# Allegro board REF_WLC_TX15W_C1-MP A11 15W POWER TRANSMITTER REV04.brd (continued)
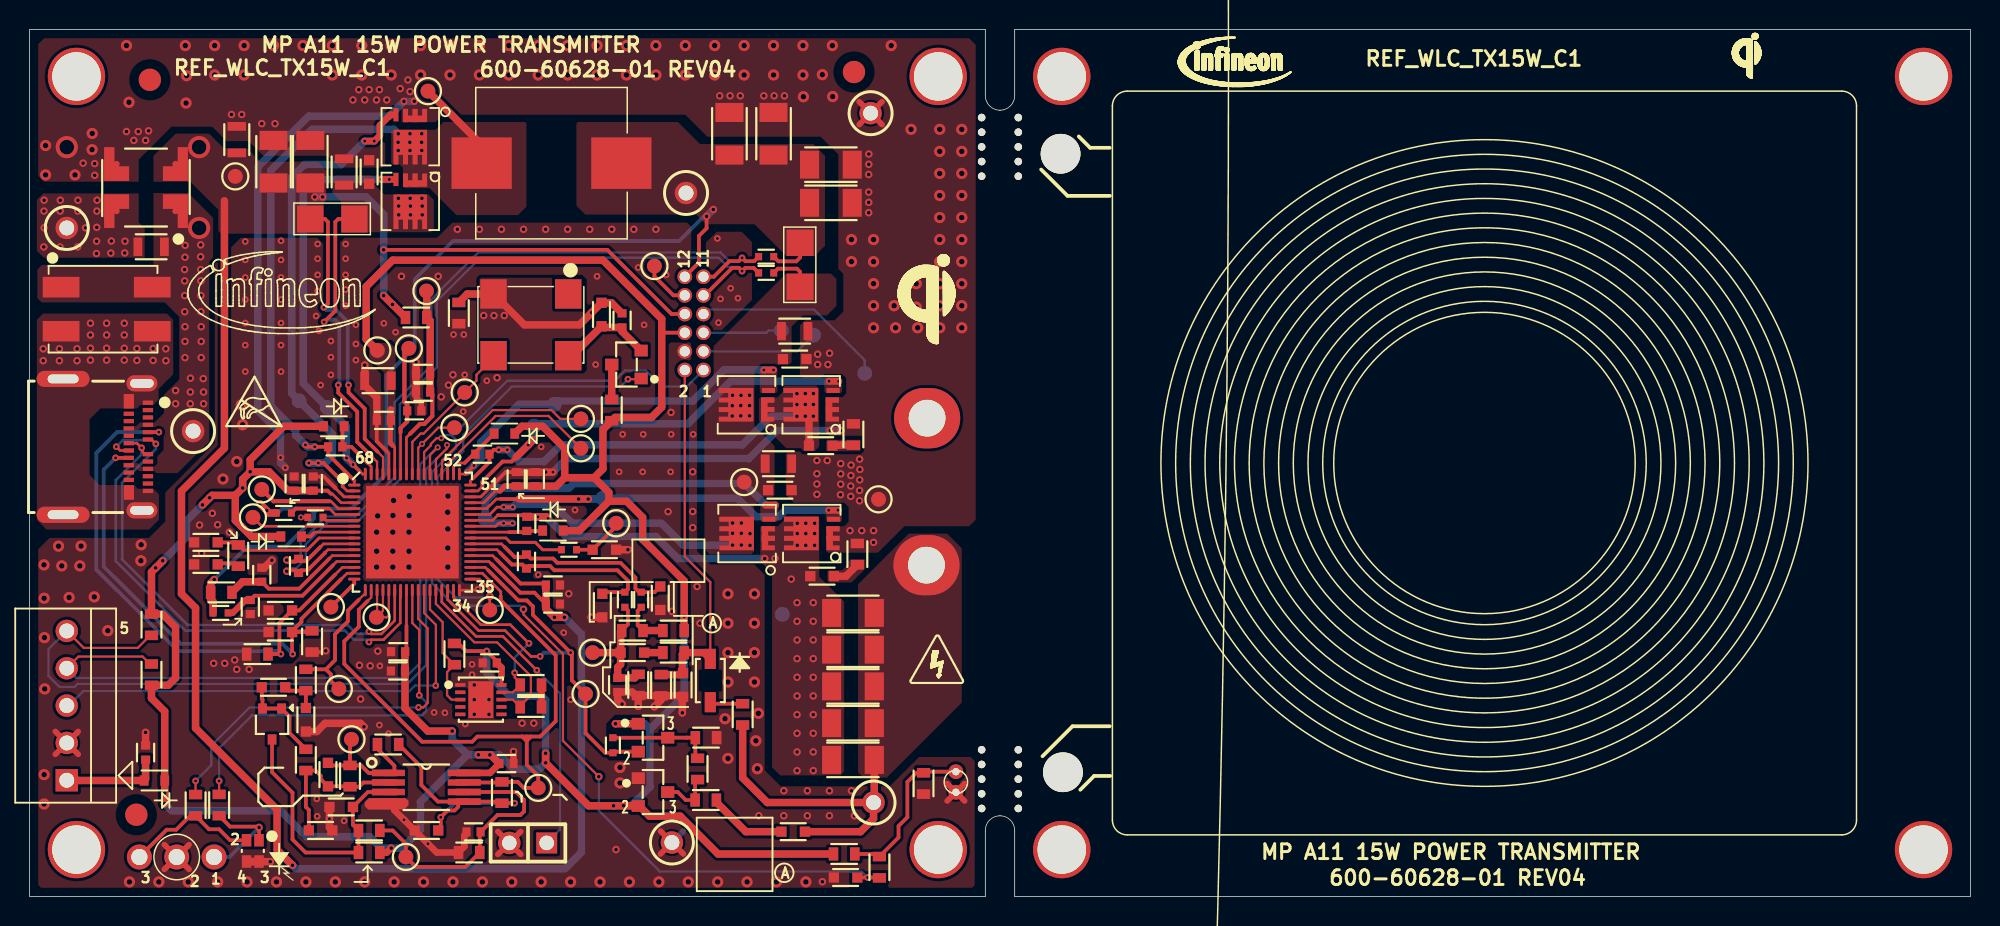
[diagram p0: board, top side]
## Copper pours and planes (outline as drawn; the poured copper is in the pictures) (continued)
GND on TOP: 28.75,45.85 44.72,45.85 45,45.57 45,35.15 45.4,34.75 45.4,23.5 46.3,22.6 49.3,22.6 50,21.9 50,8.6 51.1,7.5 58.5,7.5 60.5,9.5 64,9.5 64.28,9.22 64.28,0.77 64.11,0.6 0.8,0.6 0.6,0.8 0.6,23.63 1.37,24.4 8.12,24.4 9.24,25.52 9.24,27.49 12.6,30.85 12.6,43.05 14.37,44.82 19.58,44.82 20,44.4 21,44.4 21.43,44.83 27.73,44.83 ; 57 cut-outs
GND on TOP: 49.13,40.59 49.13,44.53 48.43,45.24 46.74,45.24 46,44.49 46,38.53 47.07,38.53
GND on TOP: 27.6,52.69 28.11,53.2 44.6,53.2 46.1,51.7 53.8,51.7 55,50.5 55,42.71 55.35,42.36 55.35,39.81 54.75,39.21 52.74,39.21 52.4,38.87 52.4,35.46 52.6,35.25 53.77,35.25 54.08,35.56 55.25,35.56 55.54,35.27 55.54,34.23 55.29,33.98 54.16,33.98 54.1,33.92 54.1,31.67 54.42,31.35 56.63,31.35 56.75,31.23 56.75,30.31 56.54,30.1 52.56,30.1 52.38,30.28 51.63,30.28 51.43,30.08 51.43,27.34 51.97,26.8 55.4,26.8 55.7,26.5 55.7,25.5 55.4,25.2 54.3,25.2 54.2,25.1 54.2,23.5 54.3,23.4 57.7,23.4 59.5,25.2 63.9,25.2 64.35,25.65 64.35,57.95 63.9,58.4 1,58.4 0.6,58 0.6,49.03 0.99,48.64 7.43,48.64 7.43,50.15 9.66,52.38 12.43,52.38 13.41,51.4 14.9,51.4 15.9,50.4 20.3,50.4 21.1,49.6 24,49.6 24.2,49.8 24.2,52.2 24.69,52.69
GND on BOTTOM: 51.46,31.15 56.5,31.15 56.9,30.75 56.9,29.2 59.6,26.5 64.1,26.5 64.35,26.25 64.35,11.35 63.5,10.5 60.9,10.5 58.5,8.1 56.2,8.1 55.8,8.5 55.8,20.26 54.16,21.9 54.16,24.71 55.5,26.05 55.5,26.6 55.3,26.8 51.04,26.8 50.2,27.64 50.2,29.89
GND on BOTTOM: 55.44,37.34 54.9,36.8 54.9,35.95 54.45,35.5 51.63,35.5 50.83,36.3 46.4,36.3 46.3,36.4 46.3,38.5 46.4,38.6 46.4,44.5 44.5,46.4 37.8,46.4 37.2,47 37.2,52.61 36.61,53.2 26.66,53.2 26.48,53.38 26.48,54.3 26.27,54.51 25.15,54.51 24.24,53.6 18.7,53.6 13.3,48.2 12.2,48.2 11.9,48.5 1.01,48.5 0.6,48.91 0.6,58 1,58.4 63.9,58.4 64.35,57.95 64.35,37.85 64.1,37.6 55.44,37.6
GND on BOTTOM: 11.69,49.83 16.39,49.83 18.81,47.41 18.81,46.99 19.05,46.99 19.2,47.14 23.02,47.14 24.4,45.8 37.37,45.8 37.67,46.1 37.67,46.98 37.9,47.2 45.2,47.2 48.8,43.6 48.8,36.43 48.66,36.29 46.51,36.29 46.3,36.5 45.75,36.5 45.75,36.04 45.32,35.61 45.44,35.49 45.44,35.11 45.63,35.11 45.71,35.03 45.71,34.94 45.75,34.9 45.75,34.79 46.89,33.65 47.15,33.65 47.28,33.52 47.28,32.43 47.9,31.81 47.9,29.43 47.85,29.43 47.72,29.3 47.72,29.22 47.9,29.04 47.9,28.71 47.64,28.45 47.84,28.45 47.9,28.39 47.9,26.8 47.87,26.8 47.76,26.69 47.9,26.55 47.9,26.3 47.18,25.58 47.18,24.6 46.9,24.32 46.9,23.3 47.66,22.54 49.36,22.54 50,21.9 50,8.6 51.1,7.5 58.5,7.5 60.5,9.5 64,9.5 64.28,9.22 64.28,0.98 63.9,0.6 0.8,0.6 0.6,0.8 0.6,23.63 1.37,24.4 3.99,24.4 4.38,24.01 5.1,24.01 5.42,24.33 5.56,24.33 5.79,24.1 6.46,24.1 6.76,24.4 8.11,24.4 9.24,25.53 9.24,27.49 12.6,30.85 12.6,43.05 12.84,43.29 12.84,46.72 10.71,48.85 ; 9 cut-outs
PVIN_0 on TOP: 20,45.2 19.9,45.1 13.03,45.1 12.84,45.29 12.84,46.74 10.94,48.64 8.43,48.64 8.43,50.39 9.95,51.91 12.22,51.91 13.23,50.9 14.8,50.9 15.7,50 19.6,50 20.2,49.4 20.2,47.4 20,47.2
VDDD on TOP: 24.1,35.65 24.1,34.5 24.3,34.3 24.3,32.7 24.33,32.67 24.84,32.67 24.9,32.73 24.9,37.3 24.53,37.67 23.45,37.67 23.1,37.32 23.1,36.65
COIL_SNS on TOP: 56.35,21.25 56.35,8.45 56.7,8.1 58.3,8.1 63.4,13.2 63.4,23.7 62.4,24.7 59.8,24.7
HG1_1 on TOP: 49.8,36.09 50.69,36.09 50.86,35.92 50.86,34.36 50.76,34.26 49.76,34.26 49.66,34.36 49.66,35.95
HG2_1 on TOP: 50.01,26.91 50.79,26.91 50.94,26.76 50.94,25.64 50.8,25.5 49.8,25.5 49.7,25.6 49.7,26.6
IIN_CSN_0 on TOP: 23.28,49.07 20.8,49.07 20.6,48.87 20.6,47.9 21.2,47.3 21.2,45.3 21.3,45.2 27.3,45.2 27.5,45.4 27.5,47.4 27.13,47.77 24.13,47.77 23.49,48.41 23.49,48.86
IIN_CSN_0 on BOTTOM: 24.94,46.08 24.8,46.22 24.8,47.67 25.03,47.9 25.03,49.82 25.25,50.05 27.18,50.05 27.41,50.28 27.41,51.94 28.17,52.7 33.7,52.7 33.8,52.6 33.8,46.39 33.49,46.08
IOUT_CSN_0 on TOP: 51.46,42.39 54.5,42.39 54.88,42.01 54.88,40.18 54.24,39.55 52.6,39.55 51.83,38.78 51.83,36.35 51.69,36.21 49.73,36.21 49.3,35.78 49.3,32.02 50.67,30.65 50.67,27.33 50.54,27.2 49.87,27.2 49.27,26.6 49.27,23.48 49.08,23.29 46.25,23.29 45.9,23.64 45.9,34.87 46.52,35.49 46.52,37.45
IOUT_CSN_0 on BOTTOM: 47.65,25.7 48.75,25.7 49.27,25.18 49.27,23.62 49.17,23.52 47.64,23.52 47.5,23.66 47.5,25.55
IOUT_CSN_0 on BOTTOM: 47.71,34.44 49.15,34.44 49.35,34.24 49.35,32.54 49.11,32.3 47.7,32.3 47.49,32.51 47.49,34.22
IOUT_CSP_0 on TOP: 37.8,46.4 45.35,46.4 46,45.74 49.31,45.74 51.47,43.58 53.39,43.58 54.1,44.29 54.1,50.4 53.3,51.2 45.6,51.2 44.1,52.7 37.3,52.7 37.2,52.6 37.2,47
IOUT_CSP_0 on TOP: 38.73,47.15 38.73,52.65 37.27,52.65 37.27,47.15
LG1_1 on TOP: 54.26,35.32 55.1,35.32 55.26,35.16 55.26,34.36 55.16,34.26 54.16,34.26 54.06,34.36 54.06,35.12
LG2_1 on TOP: 54.35,26.5 55.15,26.5 55.25,26.4 55.25,25.6 55.15,25.5 54.25,25.5 54.15,25.6 54.15,26.3
SW1_0 on TOP: 29.03,46.37 33.23,46.37 33.8,46.94 33.8,52.6 33.7,52.7 28.16,52.7 27.63,52.17 24.74,52.17 24.6,52.03 24.6,49.91 24.7,49.81 25.17,49.81 25.4,49.58 25.4,48.3 25.5,48.2 27.2,48.2
SW1_0 on TOP: 33.73,47.15 33.73,52.65 32.27,52.65 32.27,47.15
SW1_0 on BOTTOM: 24.9,52.17 26.85,52.17 26.96,52.06 26.96,50.56 26.86,50.46 24.91,50.46 24.77,50.6 24.77,52.04
SW1_1 on TOP: 49.71,33.96 50.86,33.96 51.26,34.36 51.26,34.66 51.36,34.76 53.51,34.76 53.71,34.56 53.71,30.61 53.41,30.31 52.65,30.31 52.45,30.51 51.46,30.51 49.61,32.36 49.61,33.86
SW1_1 on BOTTOM: 55.75,35.18 55.06,34.49 50.18,34.49 49.83,34.14 49.83,32.35 49.95,32.23 56.07,32.23 57.33,30.97 57.33,29.37 59.7,27 63.3,27 64,27.7 64,36.1 63.1,37 56.3,37 55.75,36.45
SW2_1 on TOP: 51.3,25.86 51.3,25.6 50.9,25.2 49.78,25.2 49.7,25.12 49.7,22.8 50.5,22 50.5,8.8 51.05,8.25 55.15,8.25 55.4,8.5 55.4,20.07 53.71,21.76 53.71,25.79 53.6,25.9 51.34,25.9
SW2_1 on BOTTOM: 51.78,25.7 53.5,25.7 53.71,25.49 53.71,21.78 55.4,20.09 55.4,8.5 55.15,8.25 51.05,8.25 50.5,8.8 50.5,22.02 49.7,22.82 49.7,24.88 49.95,25.13 51.21,25.13
USB-GND on TOP: 0.95,47.84 7.43,47.84 7.43,45.87 7.84,45.46 7.84,43.47 0.97,43.47 0.51,43.93 0.51,47.4
USB-GND on TOP: 9.34,39.67 9.78,39.23 9.78,35.54 8.78,34.54 8.78,33.8 8.43,33.45 7.56,33.45 7.32,33.21 4.83,33.21 4.09,32.47 4.09,28.69 4.78,28 7.12,28 7.37,27.75 8.43,27.75 8.81,27.37 8.81,25.64 8.14,24.97 1.16,24.97 0.51,25.62 0.51,31.54 0.51,31.54 0.51,39.25 0.93,39.67
USB-GND on BOTTOM: 8.94,47.85 9.21,47.58 9.21,39.8 9.78,39.23 9.78,35.55 8.6,34.37 5.99,34.37 4.11,32.49 4.11,25.07 4.01,24.97 1.16,24.97 0.51,25.62 0.51,47.4 0.96,47.85
USB-IN on TOP: 9.15,32.9 8.5,32.25 7.5,32.25 7.25,32 6.38,32 6.38,31.7 7.38,31.7 7.63,31.95 8.87,31.95 9.13,31.69 9.13,30.39 8.7,29.96 8.7,29.45 8.5,29.25 7.62,29.25 7.37,29.5 6.39,29.5 6.39,29.2 7.2,29.2 7.45,28.95 8.5,28.95 8.64,28.81 10.07,28.81 12.23,30.97 12.23,43.21 12.49,43.47 12.49,46.18 10.8,47.87 8.43,47.87 8.43,42.98 0.86,42.98 0.54,42.66 0.54,40.72 0.83,40.43 9.2,40.43 10.19,39.44 10.19,35.18 9.15,34.14
USB-IN on BOTTOM: 12.23,30.97 12.23,43.21 12.49,43.47 12.49,46.18 10.94,47.73 9.92,47.73 9.69,47.5 9.69,39.95 10.19,39.45 10.19,35.17 9.15,34.13 9.15,31.98 9.29,31.84 9.29,30.55 8.88,30.14 8.88,29.06 9.13,28.81 10.07,28.81
XGND on TOP: 30.6,35.8 37.6,35.8 37.7,35.9 37.7,41.9 37.5,42.1 30.7,42.1 30.6,42
XGND on BOTTOM: 30.8,35.8 37.6,35.8 37.7,35.9 37.7,37.1 38.9,38.3 40.5,38.3 40.7,38.5 40.7,39.9 39.8,40.8 37.9,40.8 37.7,41 37.7,41.9 37.5,42.1 30.7,42.1 30.6,42 30.6,36
N17336659 on TOP: 54.28,31.08 56.49,31.08 56.53,31.04 56.53,30.38 56.4,30.25 54.29,30.25 54.17,30.37 54.17,30.97
N17474976 on TOP: 54.37,22.21 55.27,22.21 55.7,22.64 55.7,22.82 55.85,22.97 56.76,22.97 56.85,22.88 56.85,22.31 55.92,21.38 54.41,21.38 54.26,21.53 54.26,22.1

## Text on the board
BOTTOM: 600-60628-01 REV04 SECONDARY SIDE
Ref Des/Assembly Bottom: SECONDARY SIDE | REF_WLC_TX15W_C1 | MP A11 15W POWER TRANSMITTER | ASSEMBLY DRAWING | 620-60628-01
Board Geometry/Soldermask Bottom: 600-60628-01 REV04 SECONDARY SOLDER MASK
Ref Des/Silkscreen Bottom: GND | XRES | VTARG | HPI_I2C_SCL | HPI_I2C_SDA | TP6 | PVIN_0 | ASK_PEAK | VDDD | VBRG_0 | TP8 | TP7 | P3.3 | SW1_1 | CSNO_0 | CSPO_0 | UART_TX | BARCODE | 600-60628-01 REV04 SECONDARY SILKSCREEN
User.Comments: 31/03/22 | KEDILAYA | HUSA
TOP: 600-60628-01 REV04 PRIMARY SIDE
Ref Des/Assembly Top: PRIMARY SIDE
Board Geometry/Soldermask Top: 600-60628-01 REV04 PRIMARY SOLDERMASK
Ref Des/Silkscreen Top: 2 | 1 | A | 12 | 11 | REF_WLC_TX15W_C1 | MP A11 15W POWER TRANSMITTER | 600-60628-01 REV04 | 600-60628-01 REV04 PRIMARY SILKSCREEN
PAGE_OUTLINE: THIS DOUCUMENT CONTAINS CONFIDENTAL, | PROPRIETARY INFORMATION THAT IS | CYPRESS SEMICONDUCTOR PROPERTY. | DO NOT DISCLOSE TO OR DUPLICATE FOR | OTHERS EXCEPT AS AUTHIRIZED BY CYPRESS. | UNLESS OTHERWISE SPECIFIED | DIMENSIONS ARE IN INCHES | TOLERANCES ON; | 2 PL DECIMALS +/- .010 | 3 PL DECIMALS +/- .005 | THIRD ANGLE | PROJECTIONS | ANGLES +/- 2 | DRAWN : | CHECKED : | ENGRG : | ISSUED | SIGNATURES | DATE | SCALE: | SIZE | FSCM NO | DWG NO | SHEET: | REV | 1/1 | DESCRIPTION | REVISIONS | CYPRESS SEMICONDUCTOR | COMPANY | AN INFINEON TECHNOLOGIES | SAN JOSE, CA 95134 | 31/03/22 | 22/02/22 | 22/09/21 | 25/12/21 | APPROVED | CYPRESS PROPRIETARY | REFER REV02 SCHEMATIC | REFER REV03 SCHEMATIC | REFER REV04 SCHEMATIC | INITIAL RELEASE | MP A11 15W POWER TRANSMITTER | REF_WLC_TX15W_C1 | 1  OF  1 | 4 | 3 | 1 | 2 | KEDILAYA | PVV | C | 04 | D | B | A
DIMENSION: VENDOR LOGO, ROHS ON | BOTTOM SILK LAYER | +/-10% | +/-0.16 | 063mils | 1.6mm | CORE | PRIMARY SIDE | LAYER 1 TOP , 2 OZ | LAYER 2 BOTTOM, 2 OZ | SECONDARY SIDE | 1. RoHS COMPLIANT CERTIFICATION OR MATERIAL DECLARATION REQUIRED. | 2. MATERIAL: | A. IS410 OR EQUIVALENT. MATERIAL MUST CONFORM TO UL94V-0. | B. USE HTE COPPER, AS SPECIFIED IN THE CROSS SECTION DIAGRAM. | 3. DRILLING: | A. DIAMETERS IN DRILL TABLE ARE FINISHED HOLE SIZES +/-.003 tol. | UNLESS OTHERWISE SPECIFIED IN DRILL TABLE. | B. TEARDROP ALLOWED ON ENTRY OF VIA ON EVERY TRACE LAYER. | 4. PLATING: | COPPER PLATING IN THRU-HOLES .001 min. | 5. MARKING: | A. SILKSCREEN IN WHITE NON-CONDUCTIVE EPOXY INK ON PRIMARY SIDE OF THE | BOARD OR BOTH SIDES IF APPLICABLE. | B. FABRICATOR TO PLACE DATE CODE, LOGO AND RoHS COMPILANT SYMBOL IN | 6. FINAL FABRICATION: | A. SOLDRMASK PRIMARY AND SECONDARY SIDE OF BOARD USING LIQUID PHOTOIMAGABLE | MASK MATERIAL OVER BARE COPPER. PER IPC-SM-840. MASK ARTWORKS PROVIDED | ARE 1:1. SOLDERMASK COLOR *BLUE** | 7. FINISH: | A. SHALL BE ELECTROLESS NIKEL & IMMERSION GOLD(ENIG). | B. NICKEL THICKNESS: 100-200 MICROINCHES. | C. GOLD THICKNESS: 3-10 MICROINCHES. | 8. BOARDS SHALL BE PURCHASED FROM UL RECOGNIZED VENDORS ONLY. | FLAMABILITY RATING (94-V0). | 9. MANUFACTURE BOARD TO BE IN ACCORDANCE WITH PERFORMANCE STANDARD | IPC-6011/6012 CLASS 2 BOARD TO BE INSPECTED PER IPC-600-A CLASS 2. | 10.MAXIMUM WARP OR TWIST SHALL NOT EXCEED .007 in/in. | 13.CARE MUST BE TAKEN TO AVOID OVER ETCHING OF COPPER ON PADS. | 12.FOLLOW VIA FILLING METHOD AS PER BELOW NOTES: | 11.TESTING: | A. FABRICATOR TO ADD TEST STRUCTURES OR CUPONS AS NEEDED. | B. T-LINE IMPEDENCE TO BE TESTED OR GUARANTEE WITHIN 10% IF SPECIFIED IN | C. OVERALL METAL TO METAL THICKNESS AS SPECIFIED IN THE CROSS SECTION. | THE CROSS SECTION.  TOLERANCE TO BE +/-10% UNLESS OTHERWISE SPECIFIED. | A. COMMON FOR ALL VIAS: | SILKSCREEN ON SECONDARY SIDE. | I. VIA WALL THICKNESS MIN 35um COPPER | NOTES:(UNLESS OTHERWISE SPECIFIED)
COMPVAL_TYPE_TOP: DO NOT DISCLOSE TO OR DUPLICATE FOR | PROPRIETARY INFORMATION THAT IS | CYPRESS SEMICONDUCTOR PROPERTY. | OTHERS EXCEPT AS AUTHIRIZED BY CYPRESS. | THIS DOUCUMENT CONTAINS CONFIDENTAL, | DATE | SIGNATURES | ENGRG : | ISSUED | DRAWN : | CHECKED : | ANGLES +/- 2 | UNLESS OTHERWISE SPECIFIED | PROJECTIONS | DIMENSIONS ARE IN INCHES | TOLERANCES ON; | 2 PL DECIMALS +/- .010 | 3 PL DECIMALS +/- .005 | THIRD ANGLE | 31/03/22 | HUSA | KEDILAYA | CYPRESS PROPRIETARY
DEVICE_TYPE_TOP: Place L3 on Top and solder leads on Bottom | 620-60628-01 REV04 PRIMARY ASSEMBLY
DISPLAY_BOTTOM: 620-60628-01 REV04 SECONDARY ASSEMBLY
USER_PART_NUM_TOP: 600-60628-01 REV04 PRIMARY SOLDERPASTE
TOLERANCE_TOP: 600-60628-01 REV04 SECONDARY SOLDERPASTE
User.11: 80-82Deg | R.1049 | 2.665 | .0669 | 1.7 | .0787 | 2 | FLAT SCREW 4 PLACES | 9530 | ACRYLIC THICKNESS: 2MM | COUNTER SINK 4X | ETCH 1 MM FOR CENTER MARKING
User.12: REV | SHEET: | DWG NO | FSCM NO | SIZE | SCALE: | 2 OF 2 | APPROVED | DATE | 31/03/22 | 25/12/21 | 22/09/21 | 22/02/22 | REVISIONS | DESCRIPTION | AN INFINEON TECHNOLOGIES | CYPRESS SEMICONDUCTOR | SAN JOSE, CA 95134 | COMPANY | 1/1 | INITIAL RELEASE | REFER REV02 SCHEMATIC | REFER REV04 SCHEMATIC | REFER REV03 SCHEMATIC | PVV | KEDILAYA | 1 | 2 | 4 | 3 | 04 | C | D | B | A
User.13: ASSEMBLY DRAWING | 620-60628-01
User.31: FAB | FABRICATION DRAWING | 610-60628-01
User.36: FIGURE | FINISHED_SIZE | 0.2032 | 0.254 | 0.381 | 0.5 | 0.7 | 0.9906 | 1.0 | 1.016 | 1.1 | 2.5 | 3.3 | 0.508 | 2.7 | 1.6x0.6 | 2.1x0.6 | DRILL CHART: TOP to BOTTOM | ALL UNITS ARE IN MILLIMETERS | TOLERANCE_DRILL | +0.0762/-0.0762 | +0.0508/-0.0508 | PLATED | NON-PLATED | QTY | 144 | 328 | 165 | 2 | 12 | 3 | 11 | 8 | 20 | 706 | TOTAL HOLES:
